# Altium PCB Copy of GameBoard_V1I1_083018.PcbDoc (part 14 of 21)
Units mil, origin at the board's own origin, x right, y up, seen from the top; angles counter-clockwise.
Board outline 7165.35 x 2763.78 mil, 12 copper layers (L1, L2, L3, L4, L5 (PWR), L6 (PWR), L7 (PWR), L8 (PWR), L9, L10, L11, L12), stack 61.575 mil thick; 1542 components, 1068 nets, 5447 pads, 3797 vias.
Unrouted connection lines stored in the file: 105.
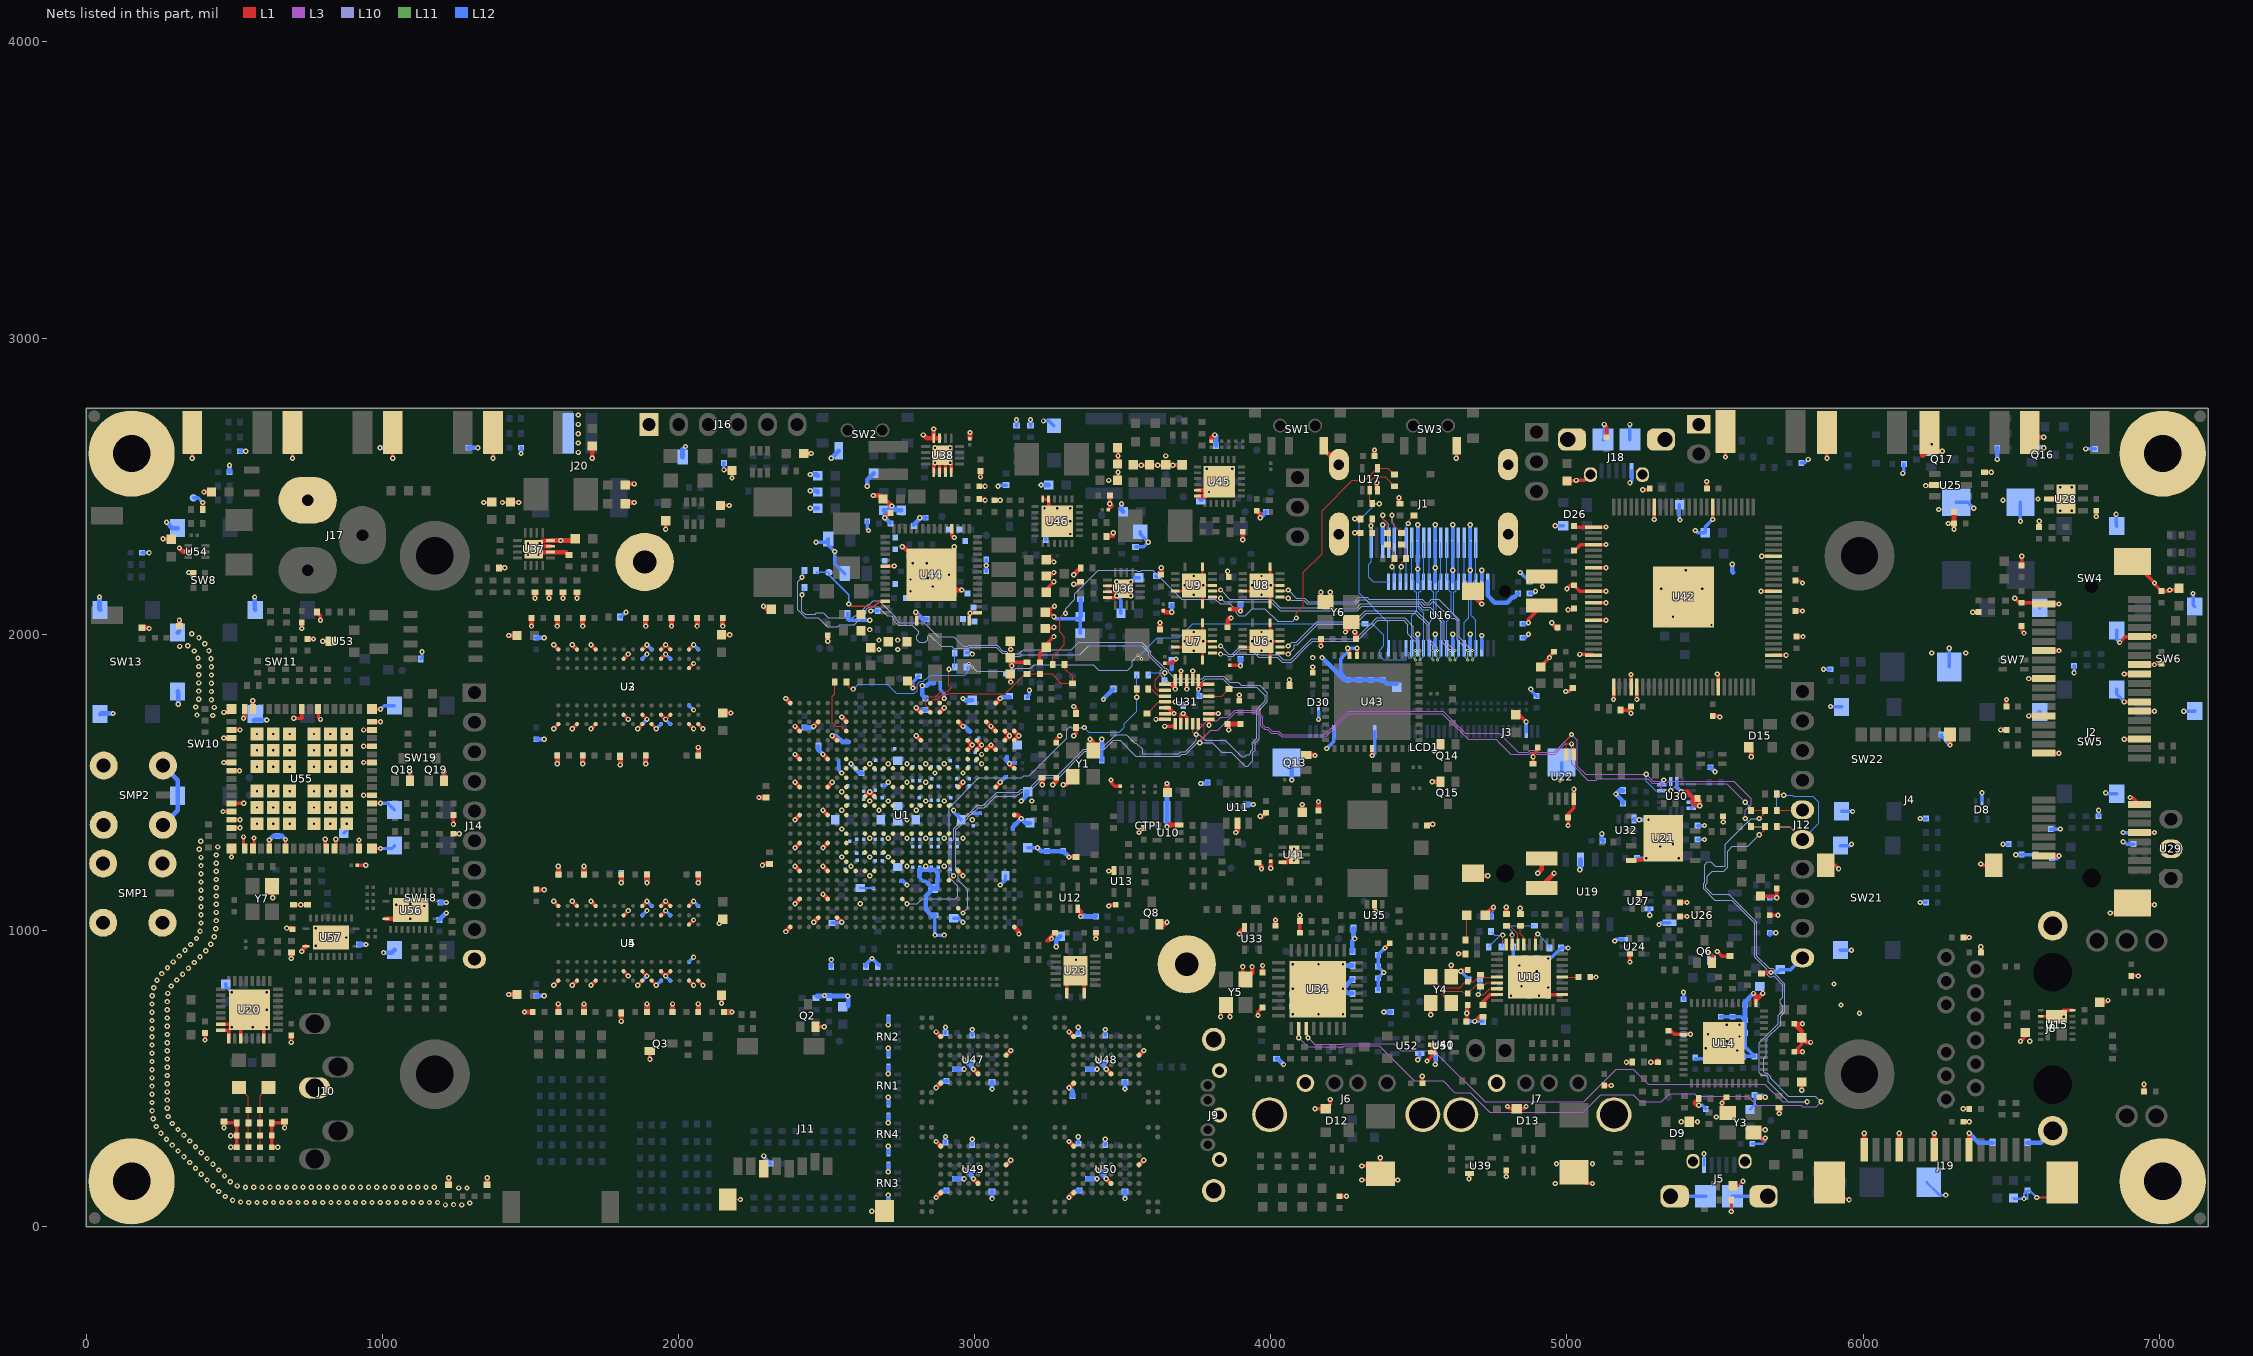
[diagram p24: the nets of this part, all layers, seen from the top]

## Via types
v1: diameter 17.72, hole 7.87, L1 to L12, 1936 vias
v2: diameter 17.72, hole 7.87, L1 to L12, tented both sides, 999 vias
v3: diameter 10.63, hole 3.94, L1 to L2, 337 vias
v4: diameter 10.63, hole 3.94, L2 to L3, 335 vias
v5: diameter 10.63, hole 3.94, L10 to L11, 96 vias
v6: diameter 10.63, hole 3.94, L11 to L12, 94 vias

## Nets (pads, with @x,y where several pads share a name; then routed paths per layer and width w, separated by ;. In a path a pad name is that pad's centre, name@x,y a point inside that pad or via, vN(x,y) a via of type N, cw(c..) or ccw(c..) an arc to the next point about the centre after c; other vN are vias at no path point) (continued)
GND: (continued)
  L12 w11.81: C402.2@188.98,2275.59 v1(212.6,2275.59) ; C281.2@464.57,354.33 464.57,334.96 v2(465.47,334.06) ; C268.2@471.65,819.33 471.65,811.81 v1(492.13,791.34) ; v2(488.19,267.72) C283.2@507.87,267.72 ; v1(1468.5,2610.24) C400.2@1468.5,2629.92 ; v2(1578.74,814.96) U5.T1@1594.49,830.71 ; v2(1578.74,1098.43) U5.T9@1594.49,1082.68 ; v2(1578.74,1681.1) U3.T1@1594.49,1696.85 ; v2(1578.74,1964.57) U3.T9@1594.49,1948.82 ; v2(1641.73,814.96) U5.P1@1657.48,830.71 ; v2(1641.73,1098.43) U5.P9@1657.48,1082.68 ; v2(1641.73,1681.1) U3.P1@1657.48,1696.85 ; v2(1641.73,1964.57) U3.P9@1657.48,1948.82 ; v2(1704.72,814.96) U5.M1@1720.47,830.71 ; v2(1704.72,1098.43) U5.M9@1720.47,1082.68 ; v2(1704.72,1681.1) U3.M1@1720.47,1696.85 ; v2(1704.72,1964.57) U3.M9@1720.47,1948.82 ; R2.1@1803.15,2059.06 1807.09,2059.06 v1(1822.83,2074.8) ; U5.J2@1814.96,862.2 v2(1830.71,846.46) ; U5.J8@1814.96,1051.18 v2(1830.71,1066.93) ; U3.J2@1814.96,1728.35 v2@1830.71,1712.6 ; U3.J8@1814.96,1917.32 v2(1830.71,1933.07) ; U5.G1@1877.95,830.71 v2(1893.7,846.46) ; U5.G8@1877.95,1051.18 v2(1893.7,1066.93) ; U5.G9@1877.95,1082.68 v2(1893.7,1098.43) U5.F9@1909.45,1082.68 ; U3.G1@1877.95,1696.85 v2(1893.7,1712.6) ; U3.G8@1877.95,1917.32 v2(1893.7,1933.07) ; U3.G9@1877.95,1948.82 v2(1893.7,1964.57) U3.F9@1909.45,1948.82 ; v2(1925.2,814.96) U5.E1@1940.94,830.71 ; v2(1925.2,1681.1) U3.E1@1940.94,1696.85 ; U5.E2@1940.94,862.2 U5.D1@1972.44,830.71 ; U5.E8@1940.94,1051.18 v2(1956.69,1066.93) U5.D8@1972.44,1051.18 ; U3.E2@1940.94,1728.35 U3.D1@1972.44,1696.85 ; U3.E8@1940.94,1917.32 v2(1956.69,1933.07) U3.D8@1972.44,1917.32 ; U5.B1@2035.43,830.71 v2(2051.18,814.96) ; U5.B3@2035.43,893.7 v2(2051.18,909.45) ; U5.B9@2035.43,1082.68 v2(2051.18,1098.43) U5.A9@2066.93,1082.68 ; U3.B1@2035.43,1696.85 v2(2051.18,1681.1) ; U3.B3@2035.43,1759.84 v2(2051.18,1744.09) ; U3.B9@2035.43,1948.82 v2(2051.18,1964.57) U3.A9@2066.93,1948.82 ; v1(2153.54,2555.12) C300.2@2153.54,2578.74 ; v2(2287.99,238.78) 2287.99,235.63 C284.2@2311.02,212.6 ; v1(2464.57,2311.02) 2495.08,2311.02 C456.2@2505.91,2321.85 2505.91,2301.18 v1(2527.56,2279.53) 2527.56,2238.19 C470.2@2561.02,2204.72 ; R74.1@2515.75,877.95 v1(2515.75,901.57) ; R73.1@2518.98,1025.25 2548.88,1025.25 v2(2551.18,1027.56) ; 2540.75,1574.8 2540.75,1541.93 v2(2551.18,1531.5) ; R438.1@2570.87,2070.87 2570.87,2051.18 2574.8,2047.24 v2(2645.67,2047.24) ; R75.1@2633.86,877.95 2629.92,881.89 v1(2653.54,905.51) R76.1@2677.17,881.89 ; C457.2@2637.8,2381.89 2637.8,2354.33 v1(2641.73,2350.39) ; v2(2645.67,1185.04) v2@2647.05,1185.04 ; v2(2649.61,2078.74) C474.2@2673.23,2078.74 ; C123.2@2692.91,1490.75 2699.41,1490.75 v2(2708.66,1500) ; C157.2@2750.59,1165.35 2759.84,1165.35 v2(2771.65,1153.54) ; v1(2791.34,1818.9) 2791.34,1838.58 R208.1@2811.02,1858.27 ; C160.2@2813.58,1185.04 2813.58,1179.66 2826.9,1166.34 2835.63,1166.34 2840.55,1161.42 ; R19.1@2866.14,1051.18 v1(2866.14,984.25) v1(2897.64,984.25) ; v1(2866.14,2629.92) 2868.11,2629.92 C350.2@2891.73,2606.3 ; C510.2@2901.57,283.46 v2(2901.57,303.15) ; C501.2@2901.57,653.54 v2(2901.57,673.23) ; C141.2@2929.13,1041.34 2946.85,1041.34 v1(2960.63,1027.56) ; v1(2929.13,1405.51) 2929.13,1399.61 C109.2@2954.72,1374.02 ; R29.1@2972.44,1937.01 2988.19,1937.01 v1(2992.13,1933.07) ; C509.2@2992.13,275.59 v2(2992.13,295.28) ; C502.2@2992.13,645.67 v2(2992.13,665.35) ; C87.2@2996.06,1395.08 R84.1@3019.69,1395.08 ; C461.2@3039.37,2212.6 v2(3039.37,2232.28) C464.2@3039.37,2251.97 ; v1(3078.74,2500) 3082.68,2503.94 R485.1@3106.3,2503.94 ; v1(3086.61,1153.54) 3104.33,1171.26 C142.2@3104.33,1185.04 ; v2(3086.61,1500) 3106.3,1519.68 C95.2@3107.68,1519.69 ; v2(3118.11,1562.99) 3120.67,1565.55 C94.2@3137.8,1565.55 ; 3119.59,1868.6 3125.98,1875 v1(3125.98,1893.7) ; R484.1@3141.73,2704.72 v1(3141.73,2724.41) ; C63.2@3177.17,1787.4 3185.04,1795.28 v1(3185.04,1811.02) ; C161.2@3179.13,1279.53 v2(3212.6,1279.53) ; R483.1@3188.98,2704.72 v1(3188.98,2724.41) ; v1(3232.28,2720.47) 3250.98,2720.47 D52.2@3267.72,2703.74 ; C490.2@3240.16,2318.9 C491.2@3240.16,2358.27 ; C497.2@3240.16,2397.64 C491.2@3240.16,2358.27 ; v2(3267.72,2059.06) 3274.61,2052.17 3349.41,2052.17 C340.2@3356.3,2059.06 C339.2@3356.3,2003.94 ; v1(3322.83,2381.89) v1(3322.83,2338.58) 3279.53,2338.58 3259.84,2358.27 C491.2@3240.16,2358.27 ; C515.2@3350.39,283.46 v2(3350.39,303.15) ; C506.2@3350.39,653.54 v2(3350.39,673.23) ; C514.2@3440.94,275.59 v2(3440.94,295.28) ; C505.2@3440.94,645.67 v2(3440.94,665.35) ; v1(3480.31,2129.92) 3494.09,2116.14 C337.2@3494.09,2070.87 ; R302.1@3496.06,2173.23 3523.62,2173.23 v1(3527.56,2177.17) 3541.34,2190.94 C338.2@3555.12,2190.94 ; R297.1@3543.31,2295.28 3570.87,2295.28 v1(3586.61,2311.02) 3560.04,2337.6 D48.2@3560.04,2346.46 ; v1(3669.29,2570.87) 3684.06,2570.87 ; v1(3755.91,1814.96) 3755.91,1795.28 C319.2@3759.84,1791.34 ; C326.2@4070.87,744.09 4070.87,720.47 v1(4074.8,716.54) ; C327.2@4070.87,783.46 4070.87,799.21 v1(4074.8,803.15) ; v1(4161.42,1712.6) D30.2@4161.42,1739.17 ; v1(4188.98,1614.17) 4212.6,1637.8 LCD1.36@4212.6,1671.26 ; C389.2@4259.84,1846.46 4236.22,1870.08 4236.22,1917.32 4259.84,1940.94 v2(4259.84,1952.76) v2(4291.34,1952.76) ; v1(4342.52,1590.55) 4350.39,1598.43 LCD1.29@4350.39,1671.26 ; C333.2@4362.2,799.21 C334.2@4362.2,838.58 v1(4381.89,858.27) C335.2@4362.2,877.95 C336.2@4362.2,917.32 v1(4385.83,940.94) ; v1(4496.06,562.99) 4502.95,569.88 U52.3@4502.95,584.65 ; U16.14@4496.06,1952.76 v1(4496.06,2000) ; U16.25@4496.06,2177.17 4496.06,2216.54 J1.11@4496.06,2308.66 ; J1.11@4496.06,2322.83 v1(4496.06,2370.08) ; v1(4555.12,547.24) 4557.09,549.21 U51.3@4557.09,572.83 ; U16.11@4555.12,1952.76 v1(4555.12,2000) ; U16.28@4555.12,2177.17 4555.12,2216.54 J1.8@4555.12,2308.66 ; J1.8@4555.12,2322.83 v1(4555.12,2370.08) ; U16.8@4614.17,1952.76 v1(4614.17,2000) ; U16.31@4614.17,2177.17 J1.5@4614.17,2308.66 ; J1.5@4614.17,2322.83 v1(4614.17,2370.08) ; v1(4641.73,862.2) 4667.32,836.61 C254.2@4667.32,834.65 ; C520.1@4661.42,692.91 v1(4688.98,692.91) R326.1@4716.54,692.91 ; v1(4661.42,720.47) 4661.42,744.09 4665.35,748.03 ; U16.5@4673.23,1952.76 v1(4673.23,2000) ; U16.34@4673.23,2177.17 v1(4673.23,2216.54) J1.2@4673.23,2308.66 ; J1.2@4673.23,2322.83 v1(4673.23,2370.08) ; U16.3@4712.6,1952.76 v1(4712.6,1996.06) ; U16.36@4712.6,2185.04 v1(4712.6,2216.54) ; R185.2@4818.9,944.88 4818.9,909.45 C257.2@4811.02,901.57 4830.71,881.89 v1(4838.58,881.89) 4838.58,877.95 C260.1@4811.02,850.39 C256.2@4811.02,807.09 4838.58,779.53 C259.2@4874.02,779.53 4874.02,783.46 4889.76,799.21 4893.7,799.21 ; C248.2@4842.52,1055.12 v1(4842.52,1074.8) ; v1(4842.52,2208.66) C221.2@4874.02,2177.17 ; C218.2@4850.39,1988.19 4858.27,1988.19 v1(4870.08,2000) ; C219.2@4850.39,2035.43 4866.14,2035.43 v1(4870.08,2039.37) ; C252.2@4858.27,905.51 C253.1@4897.64,905.51 4929.13,874.02 C250.2@4937.01,874.02 C251.1@4937.01,834.65 4929.13,834.65 4893.7,799.21 ; LCD1.3@4862.2,1671.26 v1(4862.2,1704.72) ; C220.2@4874.02,2137.8 4885.83,2137.8 v1(4893.7,2145.67) ; v1(4877.95,1814.96) 4877.95,1811.02 C362.2@4897.64,1791.34 ; C258.2@4937.01,779.53 4917.32,799.21 4893.7,799.21 ; v1(4937.01,905.51) 4944.88,905.51 R195.1@4980.31,940.94 v1(5003.94,940.94) ; v1(4960.63,2366.14) D26.3@4988.19,2366.14 ; v1(4976.38,1507.87) 4982.28,1513.78 LCD1.41@4982.28,1566.93 ; J18.9@5122.05,2657.48 5125.98,2661.42 v1(5125.98,2708.66) ; v1(5161.42,964.57) 5167.32,970.47 U24.3@5190.94,970.47 ; v1(5212.6,2511.81) 5218.5,2517.72 J18.5@5218.5,2552.17 ; J18.10@5212.6,2657.48 v1(5212.6,2708.66) ; C317.2@5236.22,1244.09 v1(5267.72,1244.09) ; U27.3@5277.56,1072.83 5277.56,1053.15 v1(5279.53,1051.18) ; v1(5311.02,1019.68) 5317.52,1026.18 U26.2@5346.46,1026.18 ; v1(5314.96,1283.46) R265.1@5314.96,1307.09 ; U30.5@5319.88,1492.13 5319.88,1500.98 v1(5326.77,1507.87) ; C382.2@5330.71,2053.15 5336.61,2059.06 v1(5358.27,2059.06) ; J5.11@5349.41,102.36 J5.10@5468.5,102.36 ; v1(5358.27,1291.34) C320.2@5358.27,1314.96 ; U30.7@5370.08,1502.95 5370.08,1484.25 v1(5385.83,1468.5) ; C371.2@5379.92,2437.01 5379.92,2387.8 v1(5381.89,2385.83) ; C198.2@5393.7,767.72 v1(5393.7,791.34) ; C199.2@5394.09,649.21 5416.93,649.21 v1(5417.32,649.61) ; U30.13@5420.28,1413.39 5428.15,1421.26 5432.09,1421.26 ; U30.12@5420.28,1433.07 5432.09,1421.26 ; C211.2@5433.07,566.93 C212.2@5472.44,566.93 ; v1(5433.07,2350.39) 5440.94,2342.52 C377.2@5466.54,2342.52 5466.54,2362.2 v2(5492.13,2387.8) ; C315.2@5440.94,1307.09 v1(5464.57,1307.09) ; C316.2@5440.94,1354.33 v1(5464.57,1354.33) ; v1(5444.88,409.45) 5456.69,409.45 C195.2@5468.5,397.64 ; v1(5448.82,1421.26) 5432.09,1421.26 ; v1(5476.38,929.13) 5492.13,913.39 C208.2@5492.13,899.61 ; C197.2@5519.69,708.66 C210.2@5559.06,708.66 5586.61,708.66 5602.36,692.91 C202.2@5602.36,653.54 5602.36,606.3 C216.2@5633.86,574.8 C217.2@5594.49,574.8 5586.61,566.93 C212.2@5472.44,566.93 ; C194.2@5555.12,661.42 5555.12,641.73 v1(5539.37,625.98) 5509.84,625.98 5498.03,614.17 5498.03,592.52 C212.2@5472.44,566.93 ; J5.9@5559.06,102.36 J5.8@5678.15,102.36 ; C306.2@5685.04,992.13 5685.04,984.25 5692.91,992.13 v1(5704.72,992.13) ; C309.2@5685.04,1110.24 v1(5708.66,1110.24) ; v1(5688.98,858.27) 5710.63,858.27 C205.2@5720.47,868.11 5756.3,868.11 J12.10@5795.28,907.09 ; C413.2@5791.34,2578.74 5803.15,2578.74 v1(5814.96,2590.55) ; v1(5866.14,1881.89) 5881.89,1881.89 5885.83,1877.95 C298.2@5889.76,1881.89 ; v1(5889.76,1755.91) 5926.18,1755.91 SW22.1@5927.17,1754.92 ; SW21.2@5923.23,934.06 5924.21,933.07 v1(5960.63,933.07) ; SW21.1@5923.23,1286.42 5955.71,1286.42 v1(5960.63,1291.34) ; SW22.2@5927.17,1402.56 5963.58,1402.56 v1(5964.57,1401.57) ; v1(6133.86,2543.31) 6137.8,2547.24 C410.2@6137.8,2574.8 ; v1(6192.91,1094.49) C415.2@6212.6,1094.49 ; v1(6192.91,1377.95) C414.2@6212.6,1377.95 ; C239.2@6263.78,1661.42 6263.78,1655.51 v1(6293.31,1625.98) ; C297.2@6291.34,1889.76 v1(6291.34,1952.76) ; C225.2@6314.96,2445.67 6353.54,2445.67 v1(6374.02,2425.2) ; v1(6472.44,1291.34) C226.2@6492.13,1291.34 ; v1(6515.75,1255.91) C231.2@6535.43,1255.91 C235.2@6582.68,1255.91 ; v1(6531.5,2381.89) C224.2@6531.5,2445.67 ; SW7.2@6596.46,2089.57 6609.25,2102.36 v1(6661.42,2102.36) ; C238.2@6633.86,1342.52 v1(6665.35,1342.52) ; v2(6712.6,1870.08) C397.2@6712.6,1893.7 ; v1(6751.97,2625.98) C407.2@6783.46,2625.98 ; C398.2@6795.28,1385.83 v1(6795.28,1405.51) ; v1(6818.9,1464.57) 6821.85,1461.61 SW5.1@6856.3,1461.61 ; v1(6854.33,2405.51) 6854.33,2367.13 SW4.2@6856.3,2365.16 ; SW5.2@6856.3,1813.98 6856.3,1797.24 v1(6881.89,1771.65) ; SW4.1@6856.3,2012.8 6856.3,1982.28 v1(6866.14,1972.44) ; v1(6877.95,1299.21) 6881.89,1299.21 6889.76,1291.34 C311.2@6913.39,1291.34 ; v1(6877.95,1330.71) C310.2@6913.39,1330.71 ; v1(7082.68,1740.16) 7119.09,1740.16 SW6.1@7120.08,1741.14 ; v1(7114.17,2137.8) 7114.17,2099.41 SW6.2@7120.08,2093.5
  L12 w13.78: RN3.1@2708.66,82.68 v2(2708.66,106.3) ; v2(2708.66,185.04) RN3.6@2708.66,208.66 ; RN4.1@2708.66,248.03 v2(2708.66,271.65) ; v2(2708.66,350.39) RN4.6@2708.66,374.02 ; RN1.1@2708.66,413.39 v2(2708.66,437.01) ; v2(2708.66,515.75) RN1.6@2708.66,539.37 ; RN2.1@2708.66,578.74 v2(2708.66,602.36) ; v2(2708.66,681.1) RN2.6@2708.66,704.72
  L12 w15.75: v1(45.28,2125.98) 45.28,2084.65 SW13.1@47.24,2082.68 ; SW13.2@47.24,1730.31 49.21,1732.28 v1(90.55,1732.28) ; SMP2.2@259.45,1356.69 309.06,1406.3 SW10.2@309.06,1454.72 309.06,1507.09 SMP2.3@259.45,1556.69 ; v1(271.65,2377.95) 291.34,2358.27 SW8.1@309.06,2358.27 ; SW10.1@309.06,1807.09 311.02,1805.12 v1(311.02,1763.78) ; SW8.2@309.06,2005.91 314.96,2011.81 v1(314.96,2047.24) ; C405.2@484.25,2547.24 v1(484.25,2570.87) ; C409.2@519.69,2618.11 v1(539.37,2618.11) ; R201.2@539.37,673.23 v1(562.99,673.23) ; SW11.2@566.93,1708.66 568.9,1710.63 v1(610.24,1710.63) ; v1(568.9,2125.98) 568.9,2084.65 SW11.1@570.87,2082.68 ; C271.2@583.58,673.39 583.74,673.23 v1(610.24,673.23) ; C269.2@583.58,783.62 602.52,783.62 v1(610.24,791.34) ; v1(618.11,1305.12) 631.89,1318.9 C527.1@645.67,1318.9 661.42,1318.9 v1(673.23,1307.09) ; C532.2@858.27,1000 858.27,996.06 v1(877.95,976.38) ; C531.1@921.26,952.76 v1(944.88,952.76) ; v1(992.13,2629.92) C408.2@1015.75,2629.92 ; v1(1003.94,925.2) 1032.48,925.2 SW18.2@1041.34,934.06 ; C529.1@1192.91,1035.43 v1(1216.54,1059.06) ; C530.2@1196.85,1094.49 v1(1216.54,1094.49) ; C401.2@1291.34,2629.92 v1(1322.83,2629.92) ; C40.2@1519.69,779.53 v2(1547.24,779.53) ; C49.2@1519.69,1645.67 v2(1547.24,1645.67) ; C35.2@1519.69,1988.19 v2(1547.24,1988.19) ; v2(1590.55,1562.99) C58.2@1590.55,1590.55 ; v2(1590.55,2027.56) C50.2@1590.55,2055.12 ; C48.2@1594.49,724.41 v2(1594.49,751.97) ; C41.2@1594.49,1188.98 v2(1594.49,1216.54) ; v2(1677.17,1562.99) C57.2@1677.17,1590.55 ; v2(1677.17,2027.56) C51.2@1677.17,2055.12 ; C47.2@1681.1,724.41 v2(1681.1,751.97) ; C42.2@1681.1,1188.98 v2(1681.1,1216.54) ; v2(1803.15,1559.06) C55.2@1803.15,1582.68 ; v2(1807.09,1161.42) R7.1@1807.09,1192.91 ; v2(1889.76,1562.99) C4.2@1889.76,1590.55 ; v2(1889.76,2027.56) C3.2@1889.76,2055.12 ; C8.2@1893.7,724.41 v2(1893.7,751.97) ; v2(1893.7,1161.42) C9.2@1893.7,1188.98 ; v2(1976.38,2027.56) C52.2@1976.38,2055.12 ; C46.2@1980.32,724.41 v2(1980.32,751.97) ; C299.2@2013.78,2598.43 2013.78,2624.02 v1(2023.62,2633.86) ; v2(2062.99,2027.56) C53.2@2062.99,2055.12 ; C45.2@2066.93,724.41 v2(2066.93,751.97) ; v2(2066.93,1161.42) C43.2@2066.93,1188.98 ; C56.2@2066.93,1590.55 v2(2066.93,1618.11) ; v2(2149.61,2027.56) C54.2@2149.61,2055.12 ; C44.2@2153.54,724.41 v2(2181.1,724.41) ; C5.2@2425.2,1685.04 2452.76,1685.04 v2(2456.69,1688.98) ; v1(2444.88,2425.2) C353.2@2470.47,2425.2 ; v1(2444.88,2484.25) 2466.54,2484.25 C354.2@2470.47,2480.31 ; v1(2444.88,2539.37) 2466.54,2539.37 C352.2@2470.47,2535.43 ; R11.1@2467.52,778.54 2491.14,778.54 v2(2493.11,780.51) 2516.73,780.51 2518.7,778.54 v2(2571.85,778.54) 2573.82,776.57 2573.82,745.08 ; R4.1@2472.44,1622.05 2472.44,1610.24 v2(2488.19,1594.49) ; v1(2515.75,2594.49) SW2.1@2541.34,2620.08 ; v2(2519.68,1657.48) 2531.49,1657.48 2552.56,1636.42 C84.2@2574.8,1636.42 ; v2(2582.68,1562.99) 2582.68,1560.73 2611.91,1531.5 C83.2@2618.11,1531.5 ; v1(2637.8,2500) 2637.8,2521.65 C445.2@2659.45,2543.31 ; C430.2@2714.42,2376.13 v2(2696.85,2393.7) 2696.85,2415.35 C446.2@2692.91,2419.29 2706.69,2419.29 v1(2720.47,2433.07) 2734.25,2419.29 C443.2@2751.97,2419.29 ; C428.2@2795.28,2370.08 2814.96,2389.76 v2(2814.96,2393.7) C423.2@2834.65,2393.7 ; v2(2801.18,2074.8) 2824.8,2051.18 C434.2@2838.58,2051.18 ; v2(2803.15,1751.97) 2811.02,1744.09 C75.2@2834.65,1744.09 ; C160.2@2813.58,1185.04 2813.98,1184.65 2813.98,1205.71 2843.21,1205.71 2844.19,1204.72 2847.55,1204.72 2864.54,1204.72 2875.39,1193.87 2875.39,1176.89 2873.43,1174.92 2873.43,1141.73 C162.2@2860.24,1141.73 ; C72.2@2834.65,1783.46 2822.83,1795.28 v1(2822.83,1826.77) 2838.58,1826.77 2846.46,1834.65 R28.1@2863.58,1834.65 ; 2840.55,1161.42 C162.2@2860.24,1141.73 ; R19.1@2866.14,1051.18 2854.33,1051.18 2834.65,1070.87 2834.65,1116.14 C162.2@2860.24,1141.73 ; v2(2870.08,98.43) 2870.08,100.69 2888.48,119.09 2902.56,119.09 C511.2@2905.51,122.05 ; v2(2870.08,468.5) 2870.08,470.77 2888.48,489.17 2902.56,489.17 C500.2@2905.51,492.13 ; v2(2960.63,1688.98) 2967.13,1688.98 R103.1@2984.25,1671.85 ; v2(2960.63,1783.46) 2966.54,1777.56 C154.2@2992.13,1777.56 ; v2(2964.57,192.91) 2972.44,185.04 C513.1@2988.19,185.04 2988.19,169.29 v2(2996.06,161.42) ; v2(2964.57,562.99) 2972.44,555.12 C503.1@2988.19,555.12 2988.19,539.37 v2(2996.06,531.5) ; v2(3086.61,1783.47) 3090.55,1787.4 R15.1@3118.11,1787.4 ; C164.2@3108.86,1586.61 3108.86,1572.24 v2(3118.11,1562.99) ; R41.1@3128.54,1342.52 3128.54,1349.02 v2(3157.48,1377.95) 3173.23,1362.2 C150.2@3187.01,1362.2 ; v2(3157.48,1437.01) 3175.2,1454.72 3175.2,1468.5 C68.2@3179.13,1468.5 ; v2(3212.6,1279.53) 3224.41,1267.72 C92.2@3244.09,1267.72 C100.2@3291.34,1267.72 ; v1(3224.41,2503.94) C498.2@3250,2503.94 ; v1(3275.59,944.88) 3275.59,966.54 C167.2@3289.37,980.31 ; C100.2@3299.21,1267.72 v1(3318.9,1248.03) ; v2(3318.9,98.43) 3318.9,100.69 3337.3,119.09 3351.38,119.09 C516.2@3354.33,122.05 ; v2(3318.9,468.5) 3330.71,456.69 C504.2@3330.71,440.94 ; C340.2@3356.3,2059.06 3358.27,2061.02 R300.1@3358.27,2118.11 ; 3370.08,1051.18 3366.14,1047.24 v1(3358.27,1047.24) 3401.57,1047.24 3405.51,1051.18 C169.2@3409.45,1047.24 ; v2(3413.39,192.91) 3421.26,185.04 C518.1@3437.01,185.04 3437.01,169.29 v2(3444.88,161.42) ; v2(3413.39,562.99) 3421.26,555.12 C508.1@3437.01,555.12 3437.01,539.37 v2(3444.88,531.5) ; R85.1@3429.13,1574.8 3428.15,1575.79 R86.1@3428.15,1613.19 ; v1(3429.13,1645.67) R86.1@3429.13,1622.05 ; v1(3435.04,1779.53) 3435.04,1781.5 R440.1@3468.5,1814.96 ; v1(3496.06,2440.94) 3496.06,2419.29 C488.2@3501.97,2413.39 ; R298.1@3614.17,2196.85 3629.92,2212.6 v2(3629.92,2224.41) ; v1(3649.61,1350.39) CTP1.2@3649.61,1399.61 C385.2@3649.61,1472.44 v1(3649.61,1496.06) ; 3665.35,1881.89 C79.2@3665.35,1905.51 ; v2(3665.35,2074.8) C85.2@3665.35,2098.43 ; v1(3763.78,1496.06) 3783.46,1496.06 C99.2@3787.4,1500 ; C479.2@3763.78,2454.72 3765.75,2454.72 v1(3791.34,2480.31) ; v1(3811.02,2673.23) 3814.96,2669.29 R479.1@3814.96,2637.8 ; v1(3826.77,2515.75) C477.2@3850.39,2515.75 ; v2(3897.64,1893.7) C77.2@3897.64,1917.32 ; v2(3897.64,2078.74) C81.2@3897.64,2102.36 ; R95.1@3917.32,1425.2 v1(3940.94,1425.2) ; v1(3964.57,2393.7) C482.2@3984.25,2413.39 ; R283.1@4019.69,566.93 4023.62,566.93 v1(4043.31,547.24) ; LCD1.42@4053.15,1566.93 4070.87,1549.21 v1(4070.87,1507.87) ; v1(4173.23,1921.26) 4248.03,1846.46 C389.2@4259.84,1846.46 C388.2@4299.21,1846.46 C391.2@4338.58,1846.46 C390.2@4377.95,1846.46 4391.73,1832.68 C392.2@4425.2,1832.68 ; v1(4244.09,885.83) 4248.03,881.89 R292.1@4275.59,881.89 ; R290.1@4275.59,787.4 4259.84,787.4 v1(4244.09,803.15) R291.1@4275.59,834.65 ; R293.1@4275.59,929.13 4275.59,964.57 v1(4283.46,972.44) 4279.39,976.52 R228.1@4279.39,1007.87 ; J1.17@4377.95,2308.66 v1(4377.95,2370.08) ; v1(4381.89,724.41) C521.1@4405.51,724.41 ; C242.2@4744.09,1047.24 4744.09,1066.93 4751.97,1074.8 v1(4751.97,1078.74) ; v1(5043.31,1204.72) 5045.87,1207.28 U19.6@5045.87,1240.16 ; v1(5118.11,1326.77) 5118.11,1307.09 C261.2@5122.05,1303.15 ; C323.2@5188.98,1429.13 5188.98,1437.01 v1(5165.35,1460.63) 5177.17,1472.44 R267.2@5188.98,1472.44 ; U32.3@5226.38,1375.98 5228.35,1374.02 v1@5267.72,1374.02 ; C318.2@5275.59,1354.33 v1(5275.59,1374.02) ; C324.2@5484.25,1551.18 v1(5500,1535.43) ; v1(5558.38,2236.22) 5558.38,2211.31 5561.02,2208.66 ; C196.2@5602.36,696.85 5601.38,696.85 5601.38,747.05 C215.2@5602.36,748.03 5602.36,759.84 v1(5629.92,787.4) ; Q17.2@6214.57,2616.14 Q17.2@6230.31,2616.14 6232.28,2618.11 v1(6232.28,2641.73) ; v1(6358.27,314.96) 6389.76,283.46 R459.1@6437.01,283.46 ; v1(6452.76,2590.55) C406.2@6452.76,2629.92 ; R458.1@6555.12,283.46 6600.21,283.46 J8.18@6640.04,323.29 ; v1(6559.06,1724.41) 6583.66,1724.41 SW7.1@6596.46,1737.2 ; Q16.2@6568.9,2631.89 6608.27,2631.89 v1(6610.24,2629.92) ; C229.2@6637.8,1244.09 6653.54,1244.09 v1(6661.42,1251.97) ; R86.1@3428.15,1613.19 3429.13,1614.17 3429.13,1618.11 R86.1@3429.13,1622.05 ; R86.1@3428.15,1613.19 3428.15,1622.05 R86.1@3429.13,1622.05 ; v1@5267.72,1374.02 v1(5275.59,1374.02) ; v1@5267.72,1374.02 v1(5275.59,1374.02)
  L12 w17.72: C512.2@2933.07,161.42 v2(2964.57,161.42) ; C499.2@2933.07,531.5 v2(2964.57,531.5) ; v2(3059.05,94.49) R503.1@3059.05,118.11 ; v2(3059.05,464.57) R498.1@3059.05,488.19 ; C517.2@3381.89,161.42 v2(3413.39,161.42) ; C507.2@3381.89,531.5 v2(3413.39,531.5) ; v2(3507.87,94.49) R505.1@3507.87,118.11 ; v2(3507.87,464.57) R501.1@3507.87,488.19
  other v1: 1213.18,73.29 1268.58,73.29 1240.88,74.22 1295.56,79.63 549.28,81.66 576.99,81.66 604.71,81.66 632.43,81.66 660.14,81.66 687.86,81.66 715.58,81.66 743.29,81.66 771.01,81.66 798.73,81.66 826.44,81.66 854.16,81.66 881.87,81.66 909.59,81.66 937.31,81.66 965.02,81.66 992.74,81.66 1020.46,81.66 1048.17,81.66 1075.89,81.66 1103.61,81.66 1131.32,81.66 1159.04,81.66 1186.76,81.66 521.59,82.94 494.59,89.2 469.72,101.44 447.79,118.38 1258.52,130.78 1286.24,130.49 538.02,132.9 565.74,132.9 593.46,132.9 621.17,132.9 648.89,132.9 676.61,132.9 704.32,132.9 732.04,132.9 759.75,132.9 787.47,132.9 815.19,132.9 842.9,132.9 870.62,132.9 898.34,132.9 926.05,132.9 953.77,132.9 981.49,132.9 1009.2,132.9 1036.92,132.9 1064.64,132.9 1092.35,132.9 1120.07,132.9 1147.79,132.9 1175.5,132.9 510.67,137.4 428.17,137.96 4960.63,145.67 486.95,151.74 408.57,157.56 467.3,171.29 388.97,177.16 447.71,190.89 369.37,196.76 428.11,210.49 4964.57,212.6 5086.61,212.6 349.77,216.36 408.51,230.08 330.18,235.95 388.91,249.68 310.58,255.55 369.31,269.28 290.98,275.15 349.71,288.88 271.38,294.75 330.12,308.48 252.45,314.99 310.52,328.08 236.83,337.89 291.12,347.87 5385.83,354.33 227.01,363.81 5503.94,370.08 277.52,372.02 222.87,391.21 273.65,399.47 222.41,418.93 273.65,427.19 222.41,446.64 273.65,454.9 222.41,474.36 273.65,482.62 222.41,502.08 273.65,510.34 222.41,529.79 273.65,538.05 222.41,557.51 273.65,565.77 222.41,585.23 273.65,593.49 5574.8,594.49 5468.5,602.36 222.41,612.94 273.65,621.2 6562.99,625.98 222.41,640.66 5582.68,641.73 273.65,648.92 5476.38,649.61 222.41,668.38 273.65,676.63 5539.37,681.1 5582.68,681.1 222.41,696.09 273.65,704.35 6677.17,708.66 4161.42,716.54 4244.09,716.54 5988.19,720.47 222.41,723.81 273.65,732.07 610.24,732.28 5925.2,748.03 222.41,751.52 273.65,759.78 223.27,779.23 4811.02,779.53 4905.51,779.53 275.72,787.42 4161.42,803.15 228.2,806.5 4937.01,807.09 4846.46,811.02 287.17,812.67 5901.57,818.9 239.42,831.85 306.13,832.89 325.72,852.48 255.76,854.24 3342.52,854.33 4897.64,862.2 345.32,872.08 274.98,874.2 4074.8,885.83 4161.42,885.83 364.92,891.68 294.58,893.8 3342.52,901.57 384.52,911.28 314.18,913.4 403.9,931.1 333.77,933 775.59,948.82 353.37,952.6 420.58,953.23 372.52,972.63 3259.84,972.44 826.77,976.38 432.33,978.34 384.92,997.42 437.94,1005.48 775.59,1007.87 387.77,1024.99 439.01,1033.17 1094.49,1039.37 387.77,1052.71 439.01,1060.89 387.77,1080.43 1141.73,1082.68 1047.24,1086.61 439.01,1088.61 1094.49,1090.55 387.77,1108.14 439.01,1116.32 387.77,1135.86 439.01,1144.04 387.77,1163.58 439.01,1171.76 387.77,1191.29 439.01,1199.47 387.77,1219.01 439.01,1227.19 5377.95,1244.09 387.77,1246.73 439.01,1254.91 382.35,1273.91 4078.74,1275.59 444.42,1282.09 386.84,1301.26 576.77,1360.24 631.89,1360.24 687.01,1360.24 769.69,1360.24 824.8,1360.24 5244.09,1374.02 576.77,1415.35 631.89,1415.35 687.01,1415.35 769.69,1415.35 824.8,1415.35 879.92,1415.35 576.77,1470.47 631.89,1470.47 687.01,1470.47 769.69,1470.47 824.8,1470.47 879.92,1470.47 576.77,1553.15 631.89,1553.15 687.01,1553.15 769.69,1553.15 824.8,1553.15 879.92,1553.15 576.77,1608.27 631.89,1608.27 687.01,1608.27 769.69,1608.27 824.8,1608.27 879.92,1608.27 576.77,1663.39 631.89,1663.39 687.01,1663.39 769.69,1663.39 824.8,1663.39 879.92,1663.39 427.86,1725.91 374.52,1727.05 432.61,1753.22 370.54,1754.48 422.93,1779.19 380.22,1780.45 422.93,1806.91 380.22,1808.17 422.93,1834.62 380.22,1835.89 422.93,1862.34 380.22,1863.6 422.93,1890.05 380.22,1891.32 421.8,1917.75 377.83,1918.93 4141.73,1921.26 6232.28,1937.01 6346.46,1937.01 365.24,1943.62 414.52,1944.49 315.89,1959.12 343.55,1960.89 400.43,1968.36 380.84,1987.97 356.99,2002.09 5488.19,2031.5 3527.56,2129.92 5393.7,2133.86 5318.9,2153.54 5456.69,2153.54 3480.31,2177.17 346.46,2208.66 4614.17,2216.54 5401.57,2216.54 4496.06,2220.47 4555.12,2224.41 1492.13,2267.72 1527.56,2267.72 1492.13,2307.09 1531.5,2307.09 6255.91,2421.26 3236.22,2425.2 3279.53,2425.2 6472.44,2452.76 6590.55,2456.69 3452.76,2519.68 3783.46,2559.06 3870.08,2559.06 2866.14,2578.74 3645.67,2602.36 1661.42,2614.17 2917.32,2629.92 1661.42,2645.67 1661.42,2677.17 1661.42,2708.66 1661.42,2740.16